# Altium PCB RTM_SFP.PcbDoc (part 1 of 5)
Units mm, origin at the board's own origin, x right, y up, seen from the top; angles counter-clockwise.
Board outline 182.5 x 148.5 mm, 4 copper layers (Top Layer, MidPlane_1, MidPlane_2, Bottom Layer), stack 1.614 mm thick; 376 components, 325 nets, 1560 pads, 1463 vias.
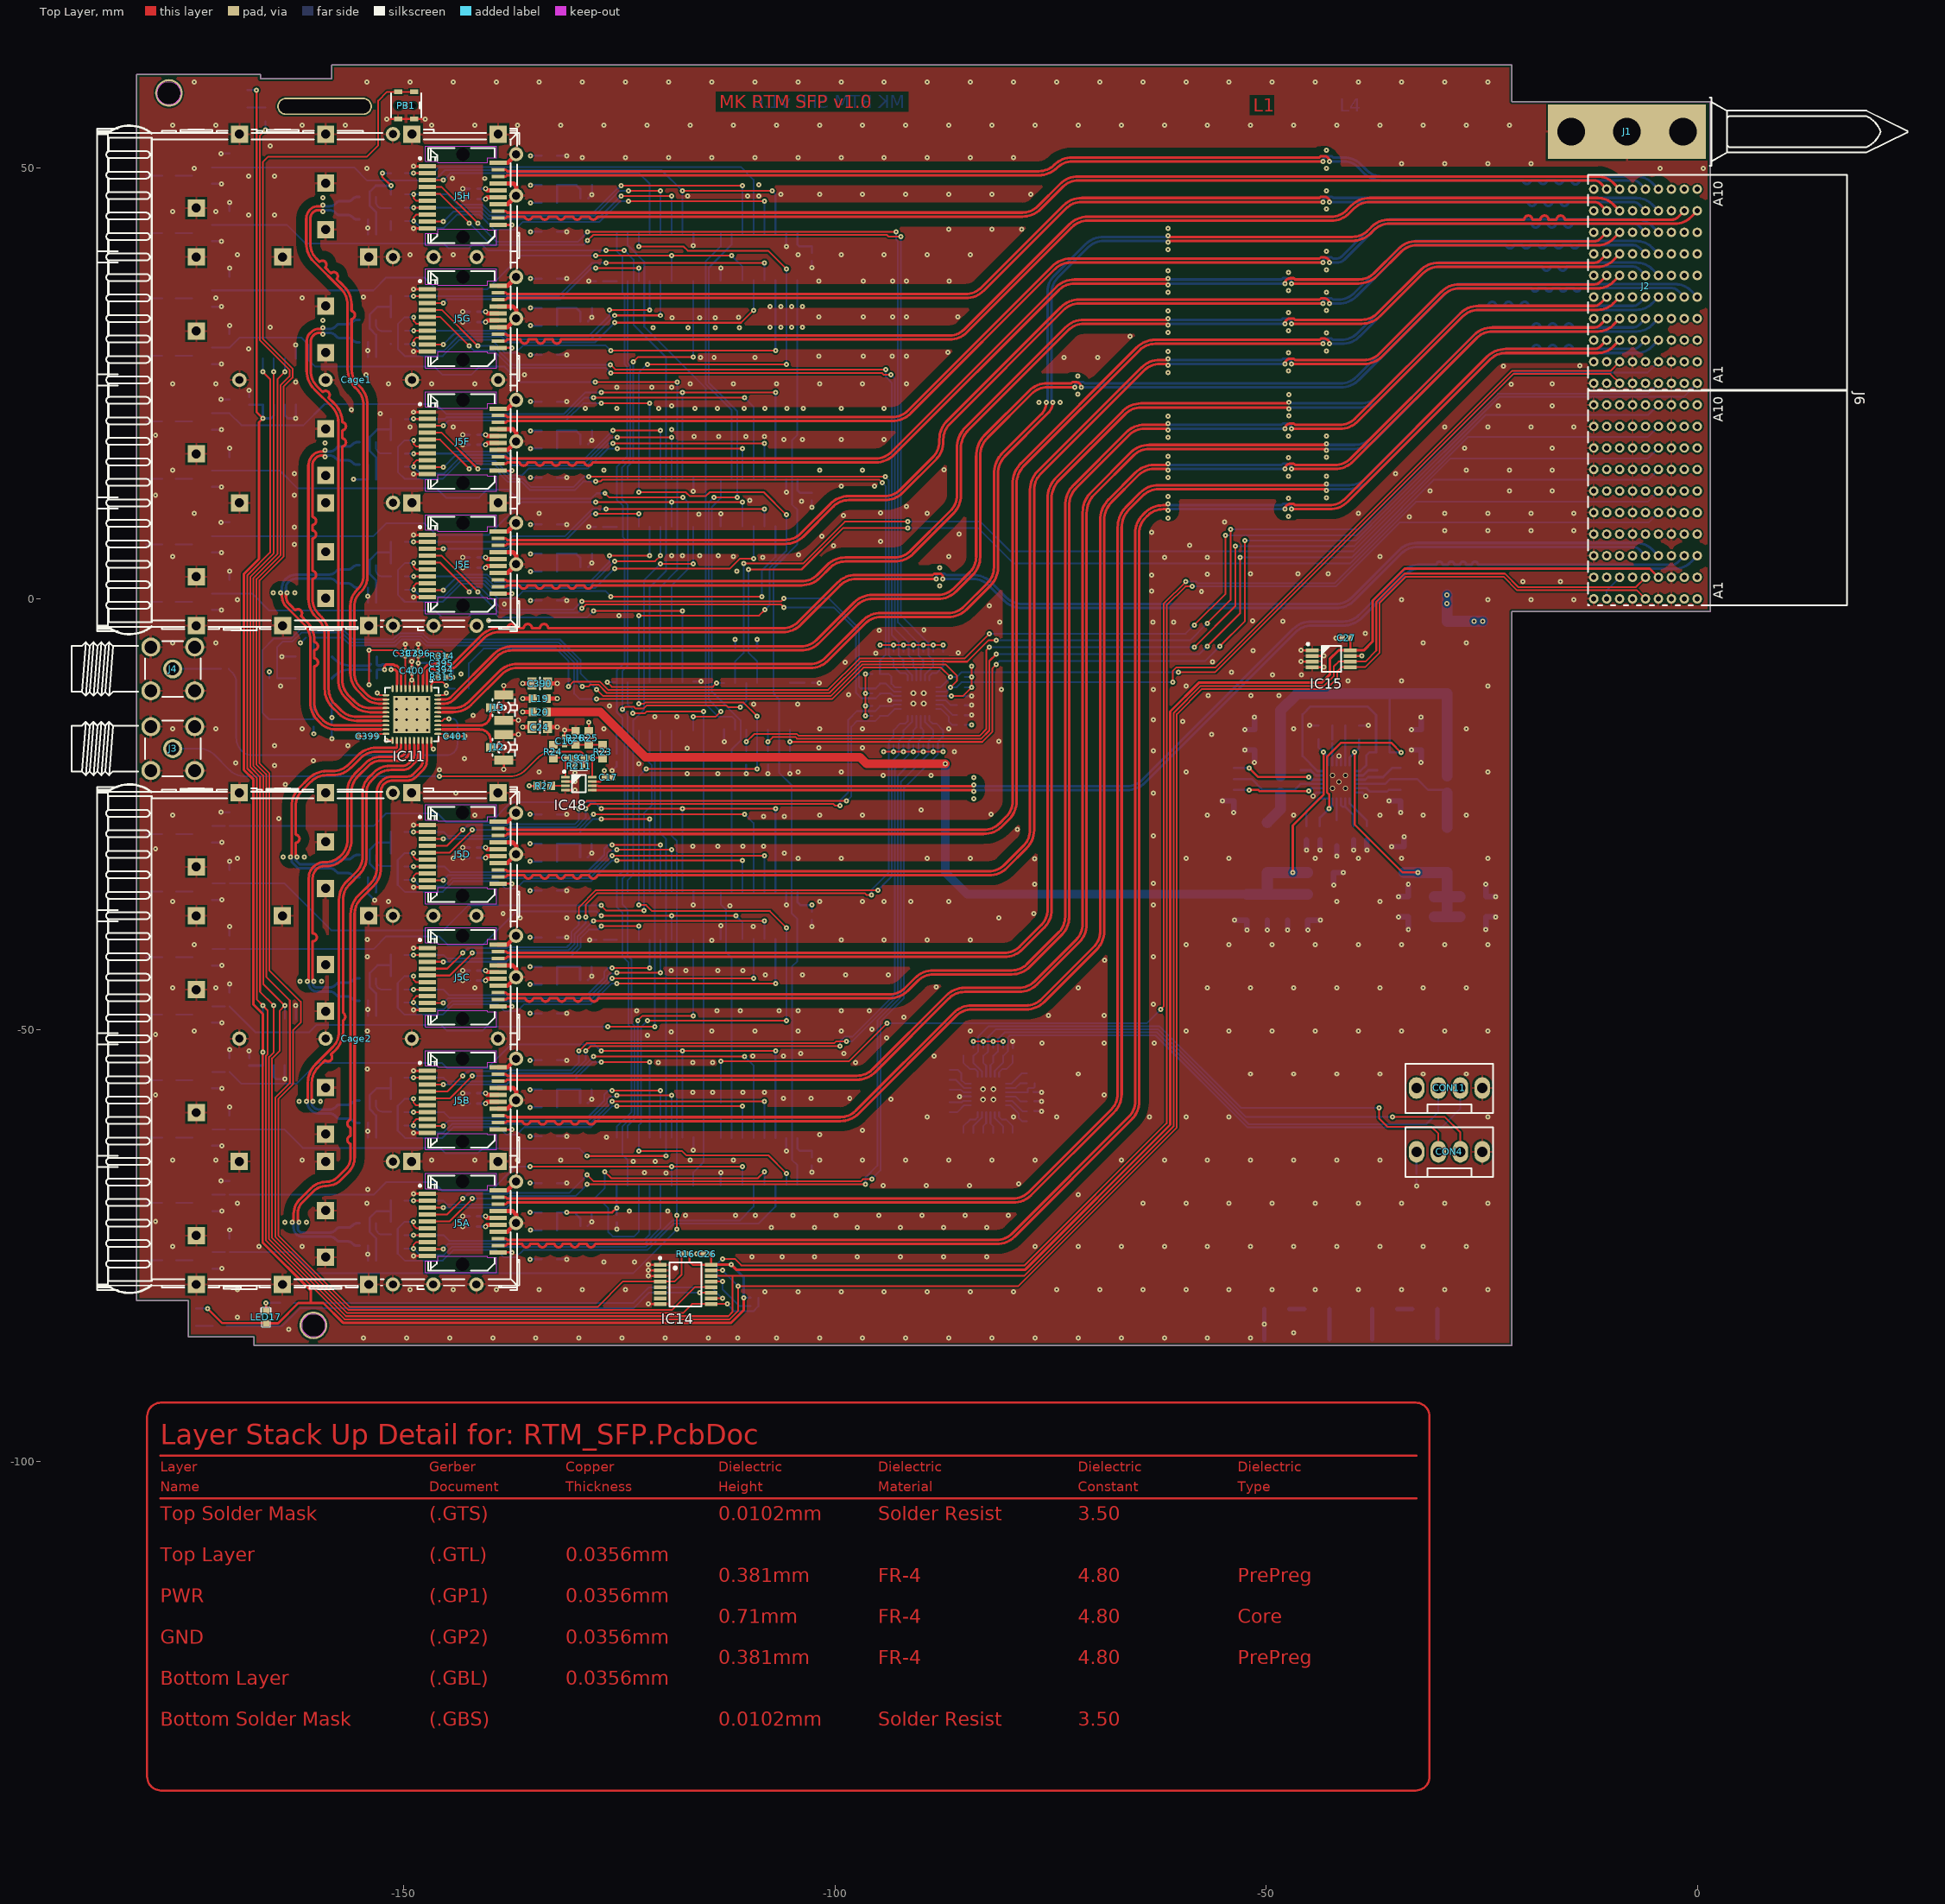
[diagram p0: Top Layer view]
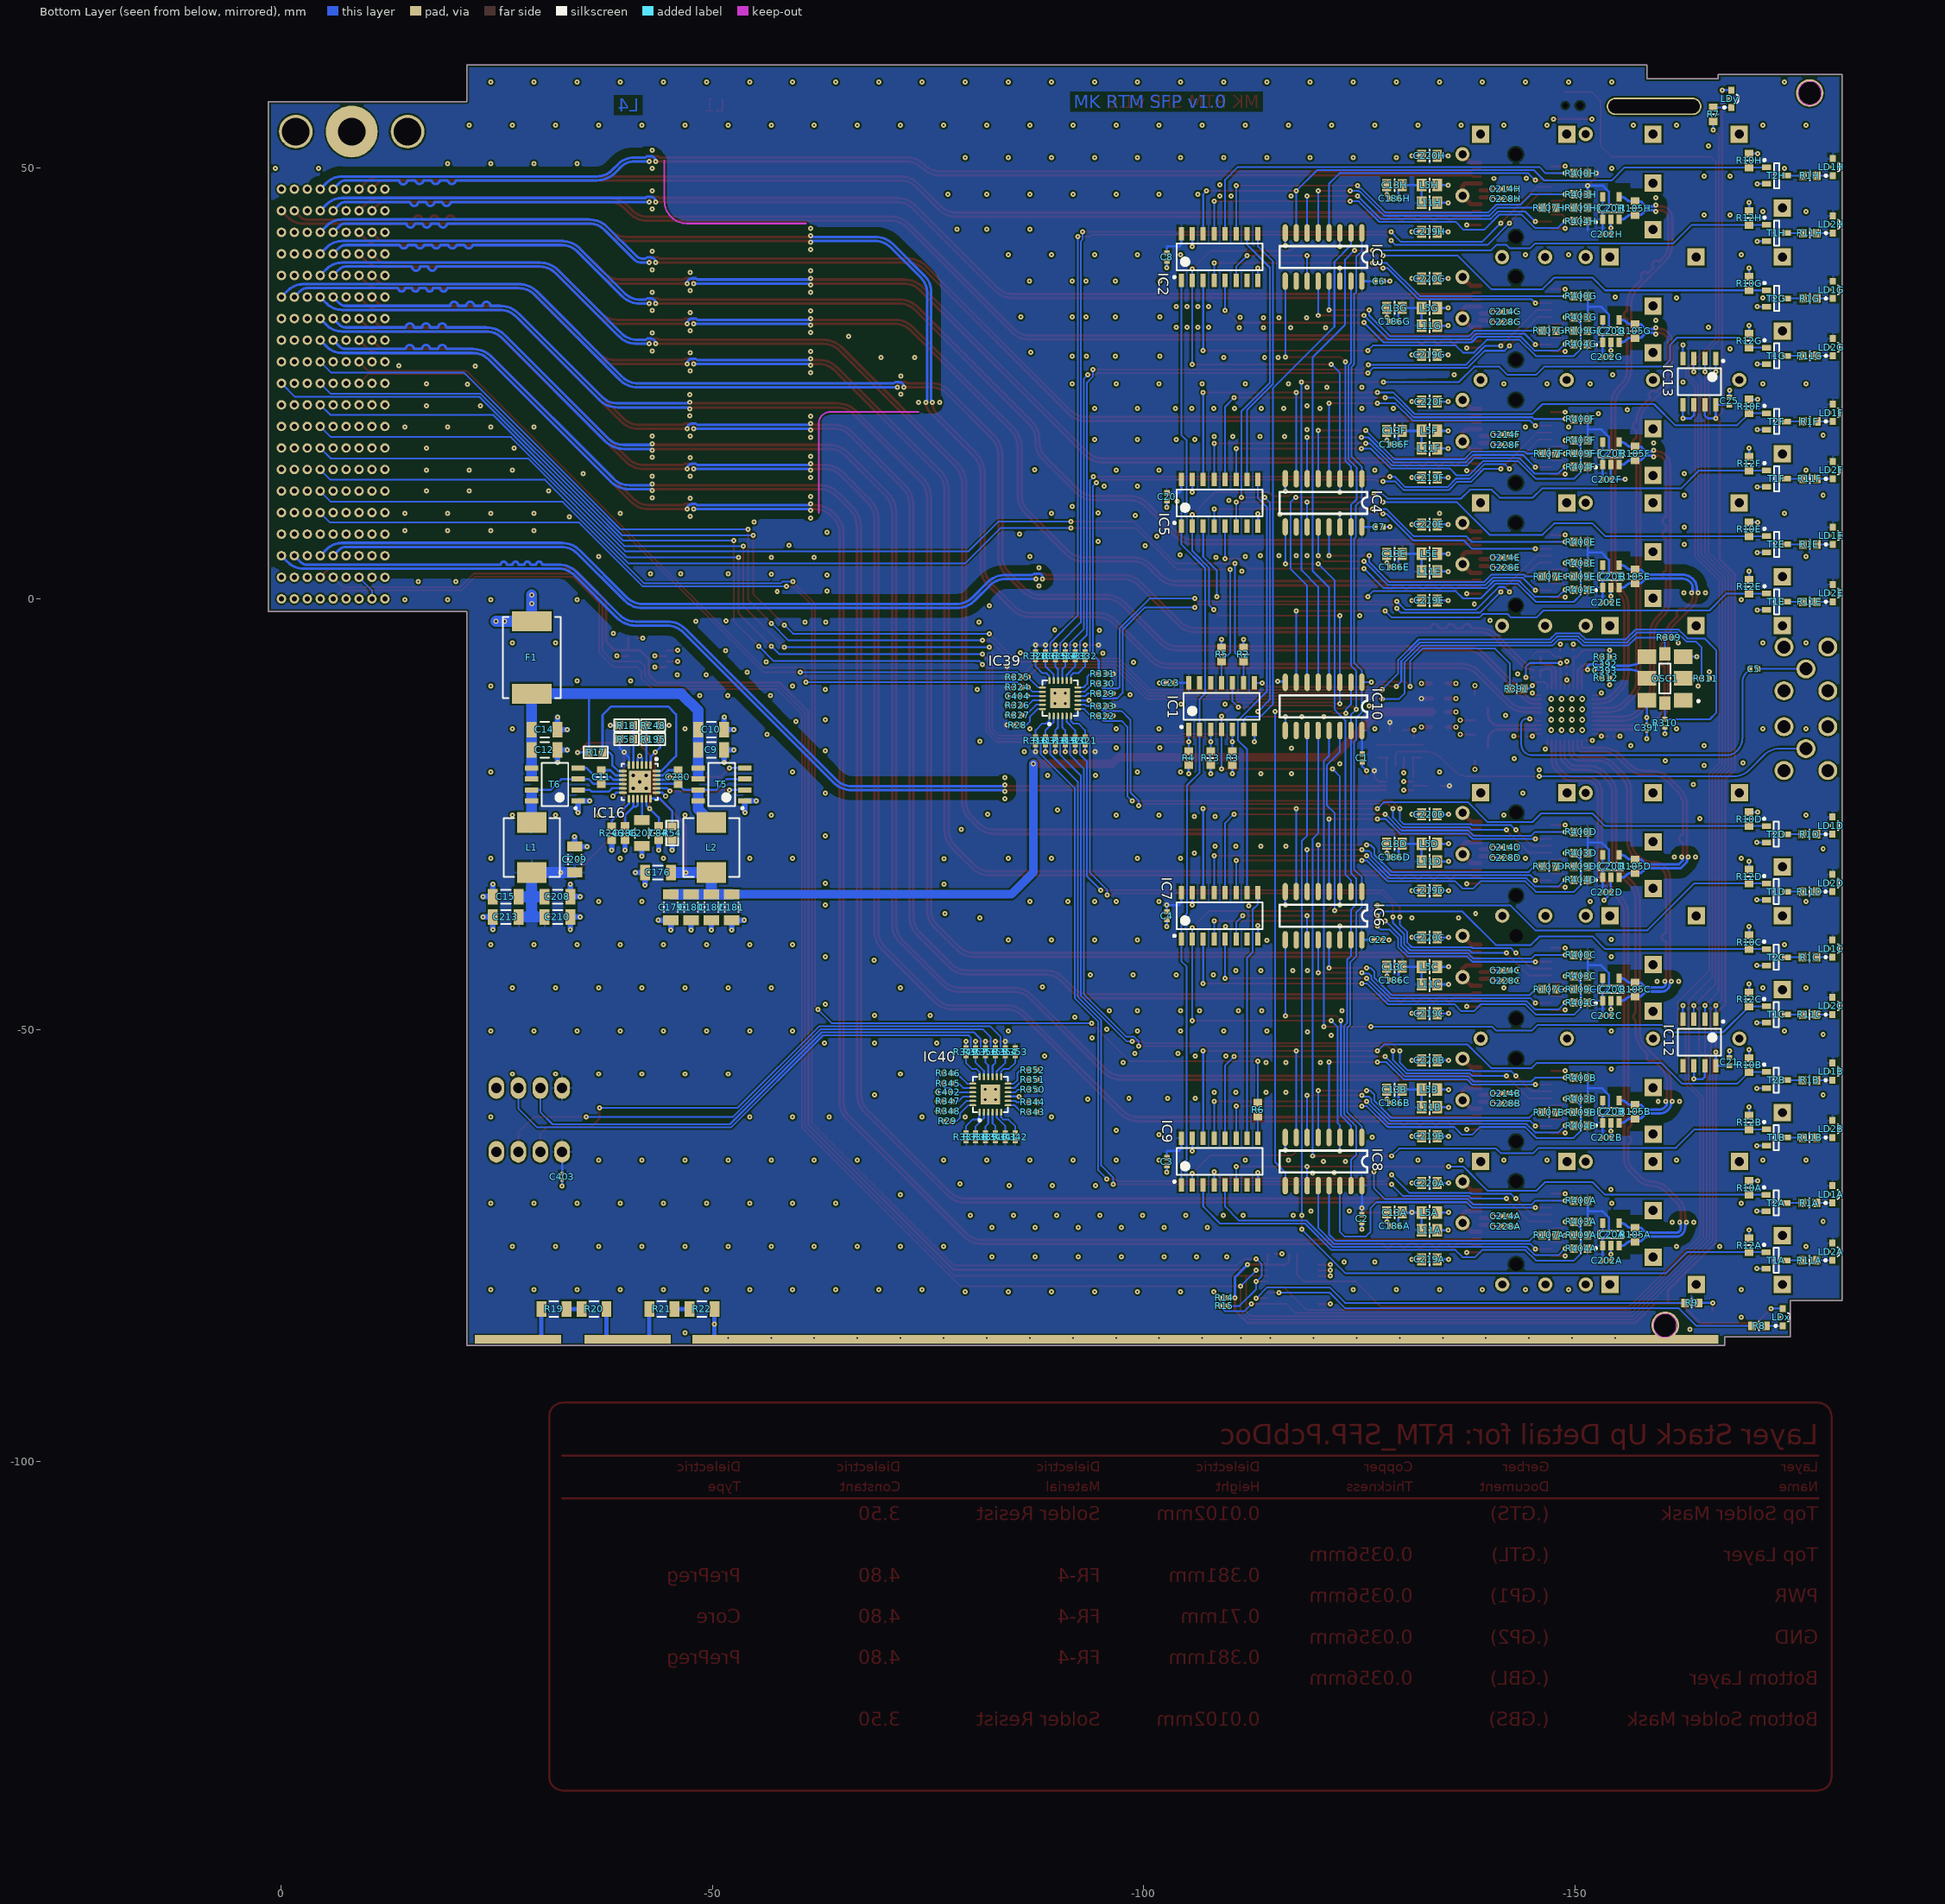
[diagram p1: Bottom Layer view, seen from below]
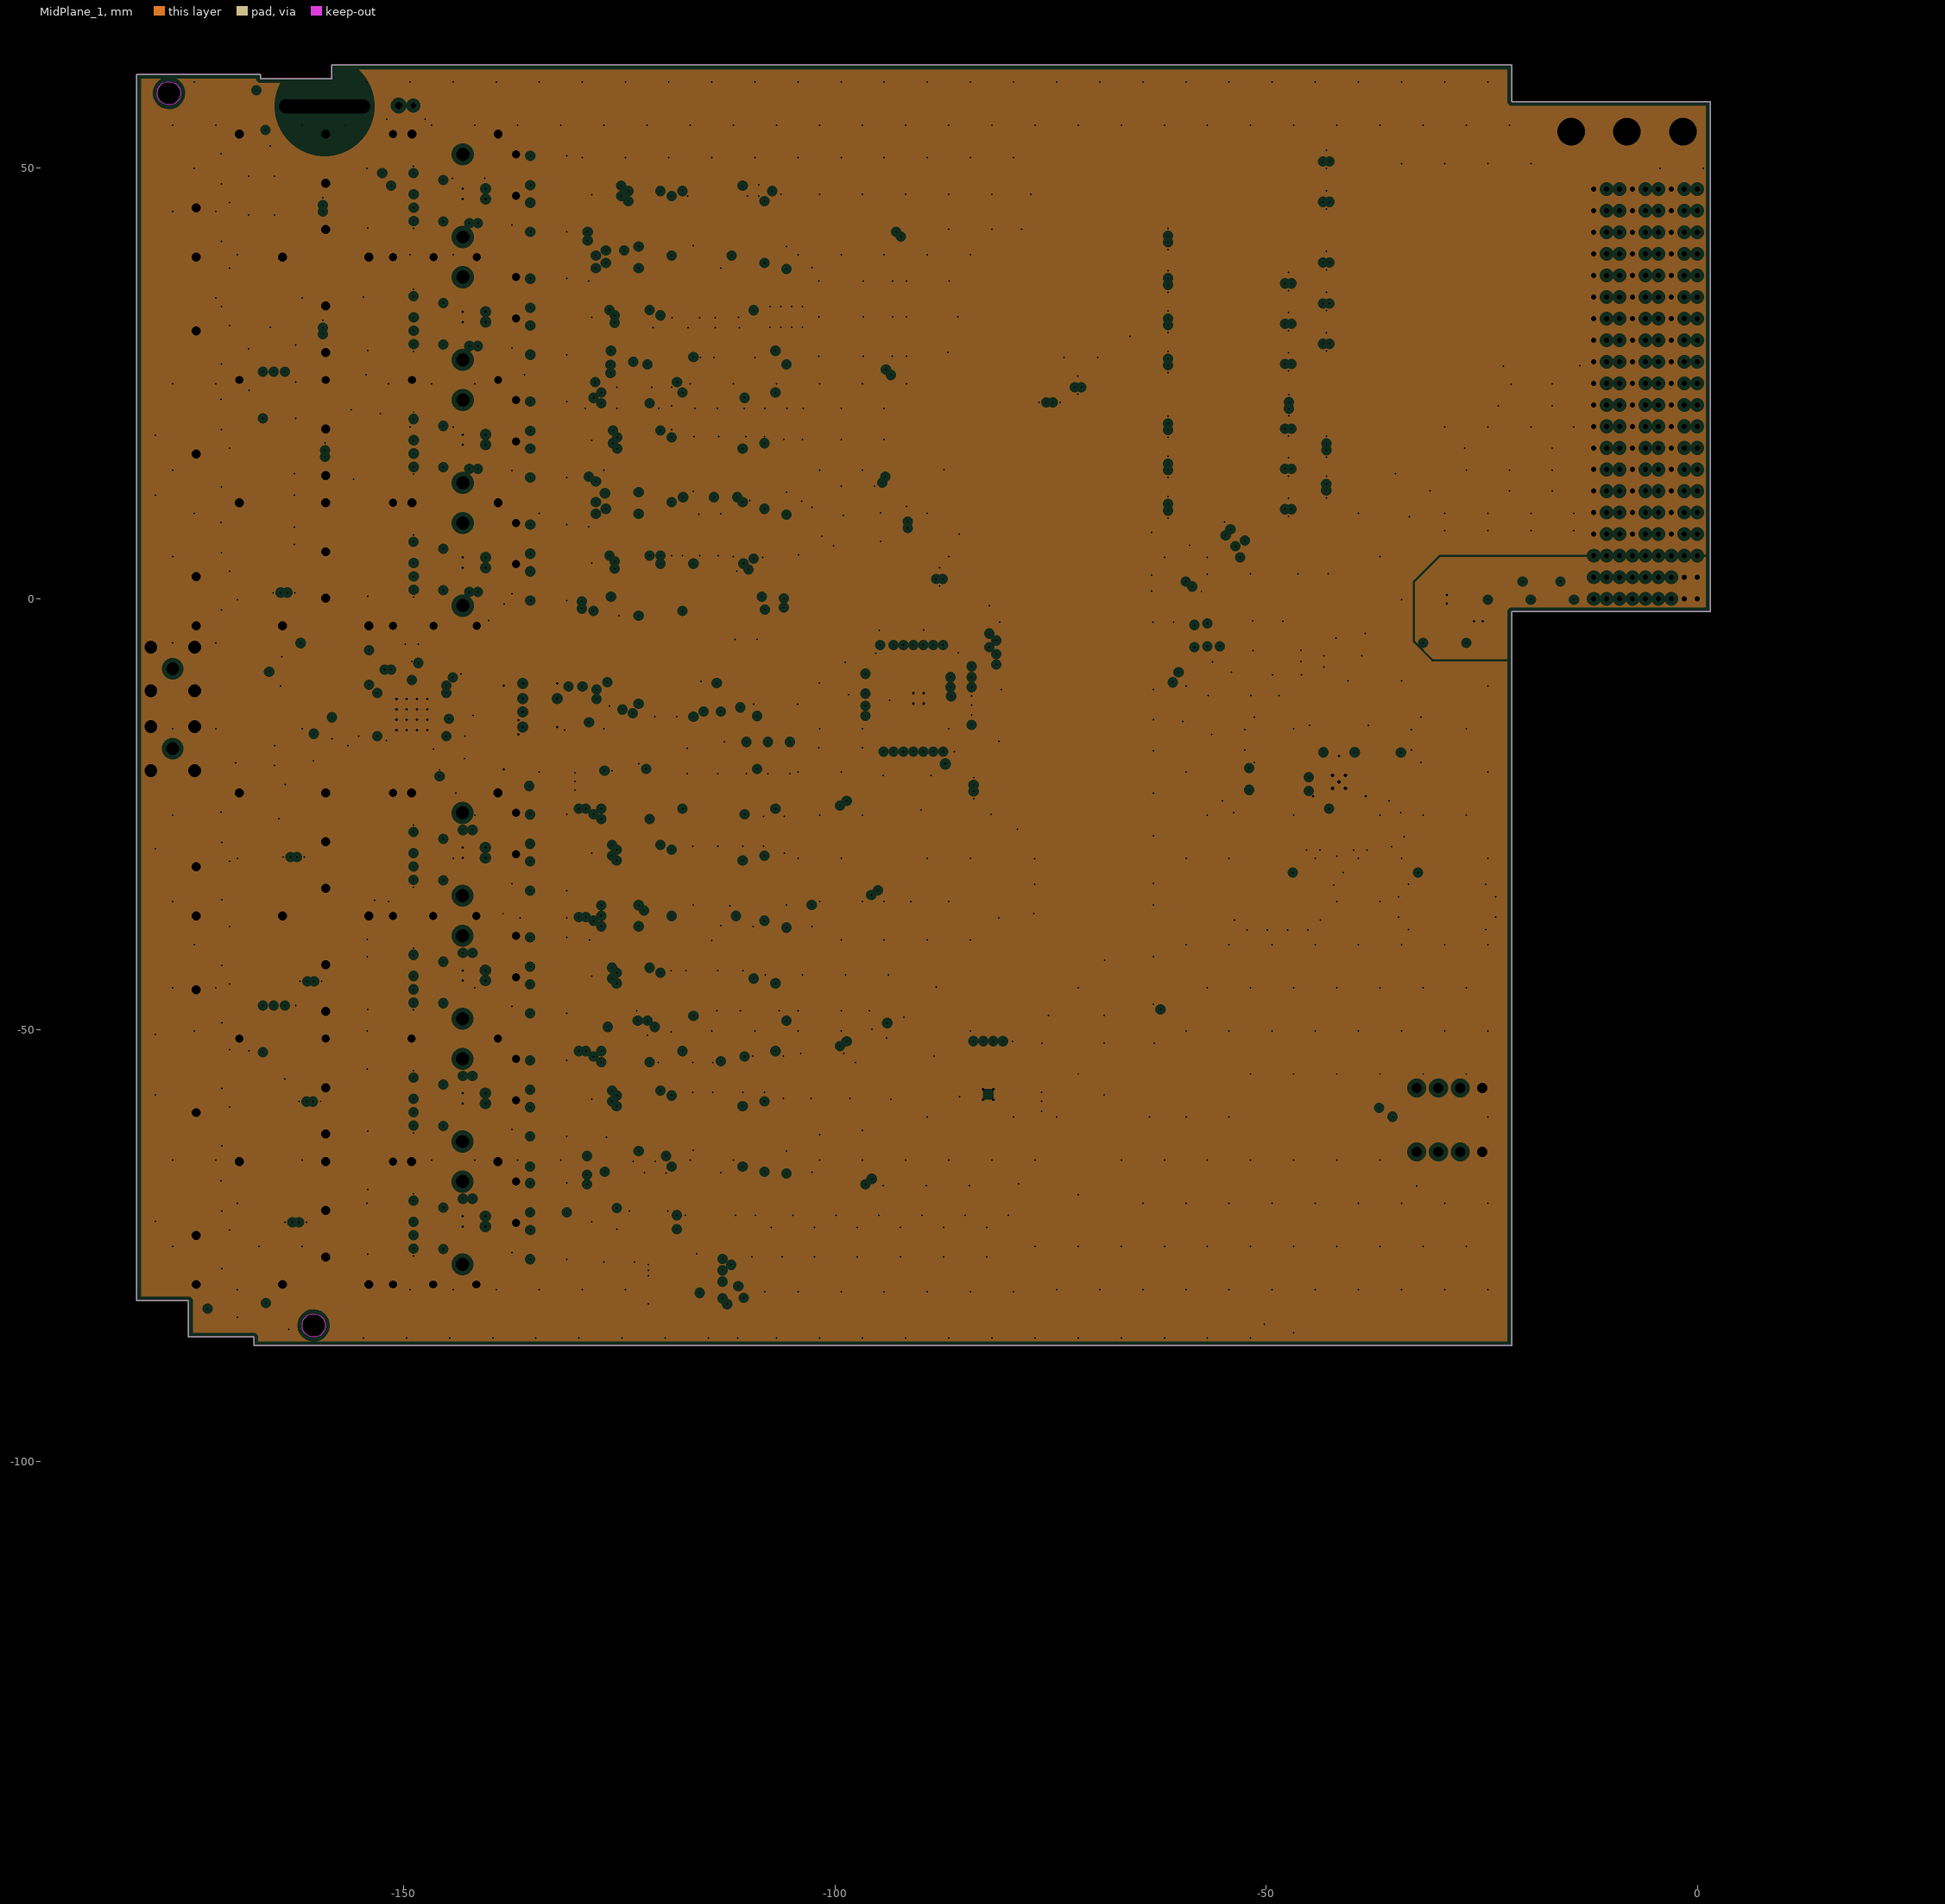
[diagram p2: MidPlane_1, clearances drawn from the general rule]